# Altium PCB roach2.PcbDoc (part 28 of 39)
Units mil, origin at the board's own origin, x right, y up, seen from the top; angles counter-clockwise.
Board outline 12007.87 x 9606.3 mil, 16 copper layers (L1_TOP, L2_G, L3_S, L4_G, L5_S, L6_P, L7_G, L8_R, L9_R, L10_P, L11_P, L12_S, L13_P, L14_S, L15_G, L16_BOT), stack 81.651 mil thick; 1608 components, 1934 nets, 9335 pads, 6759 vias.
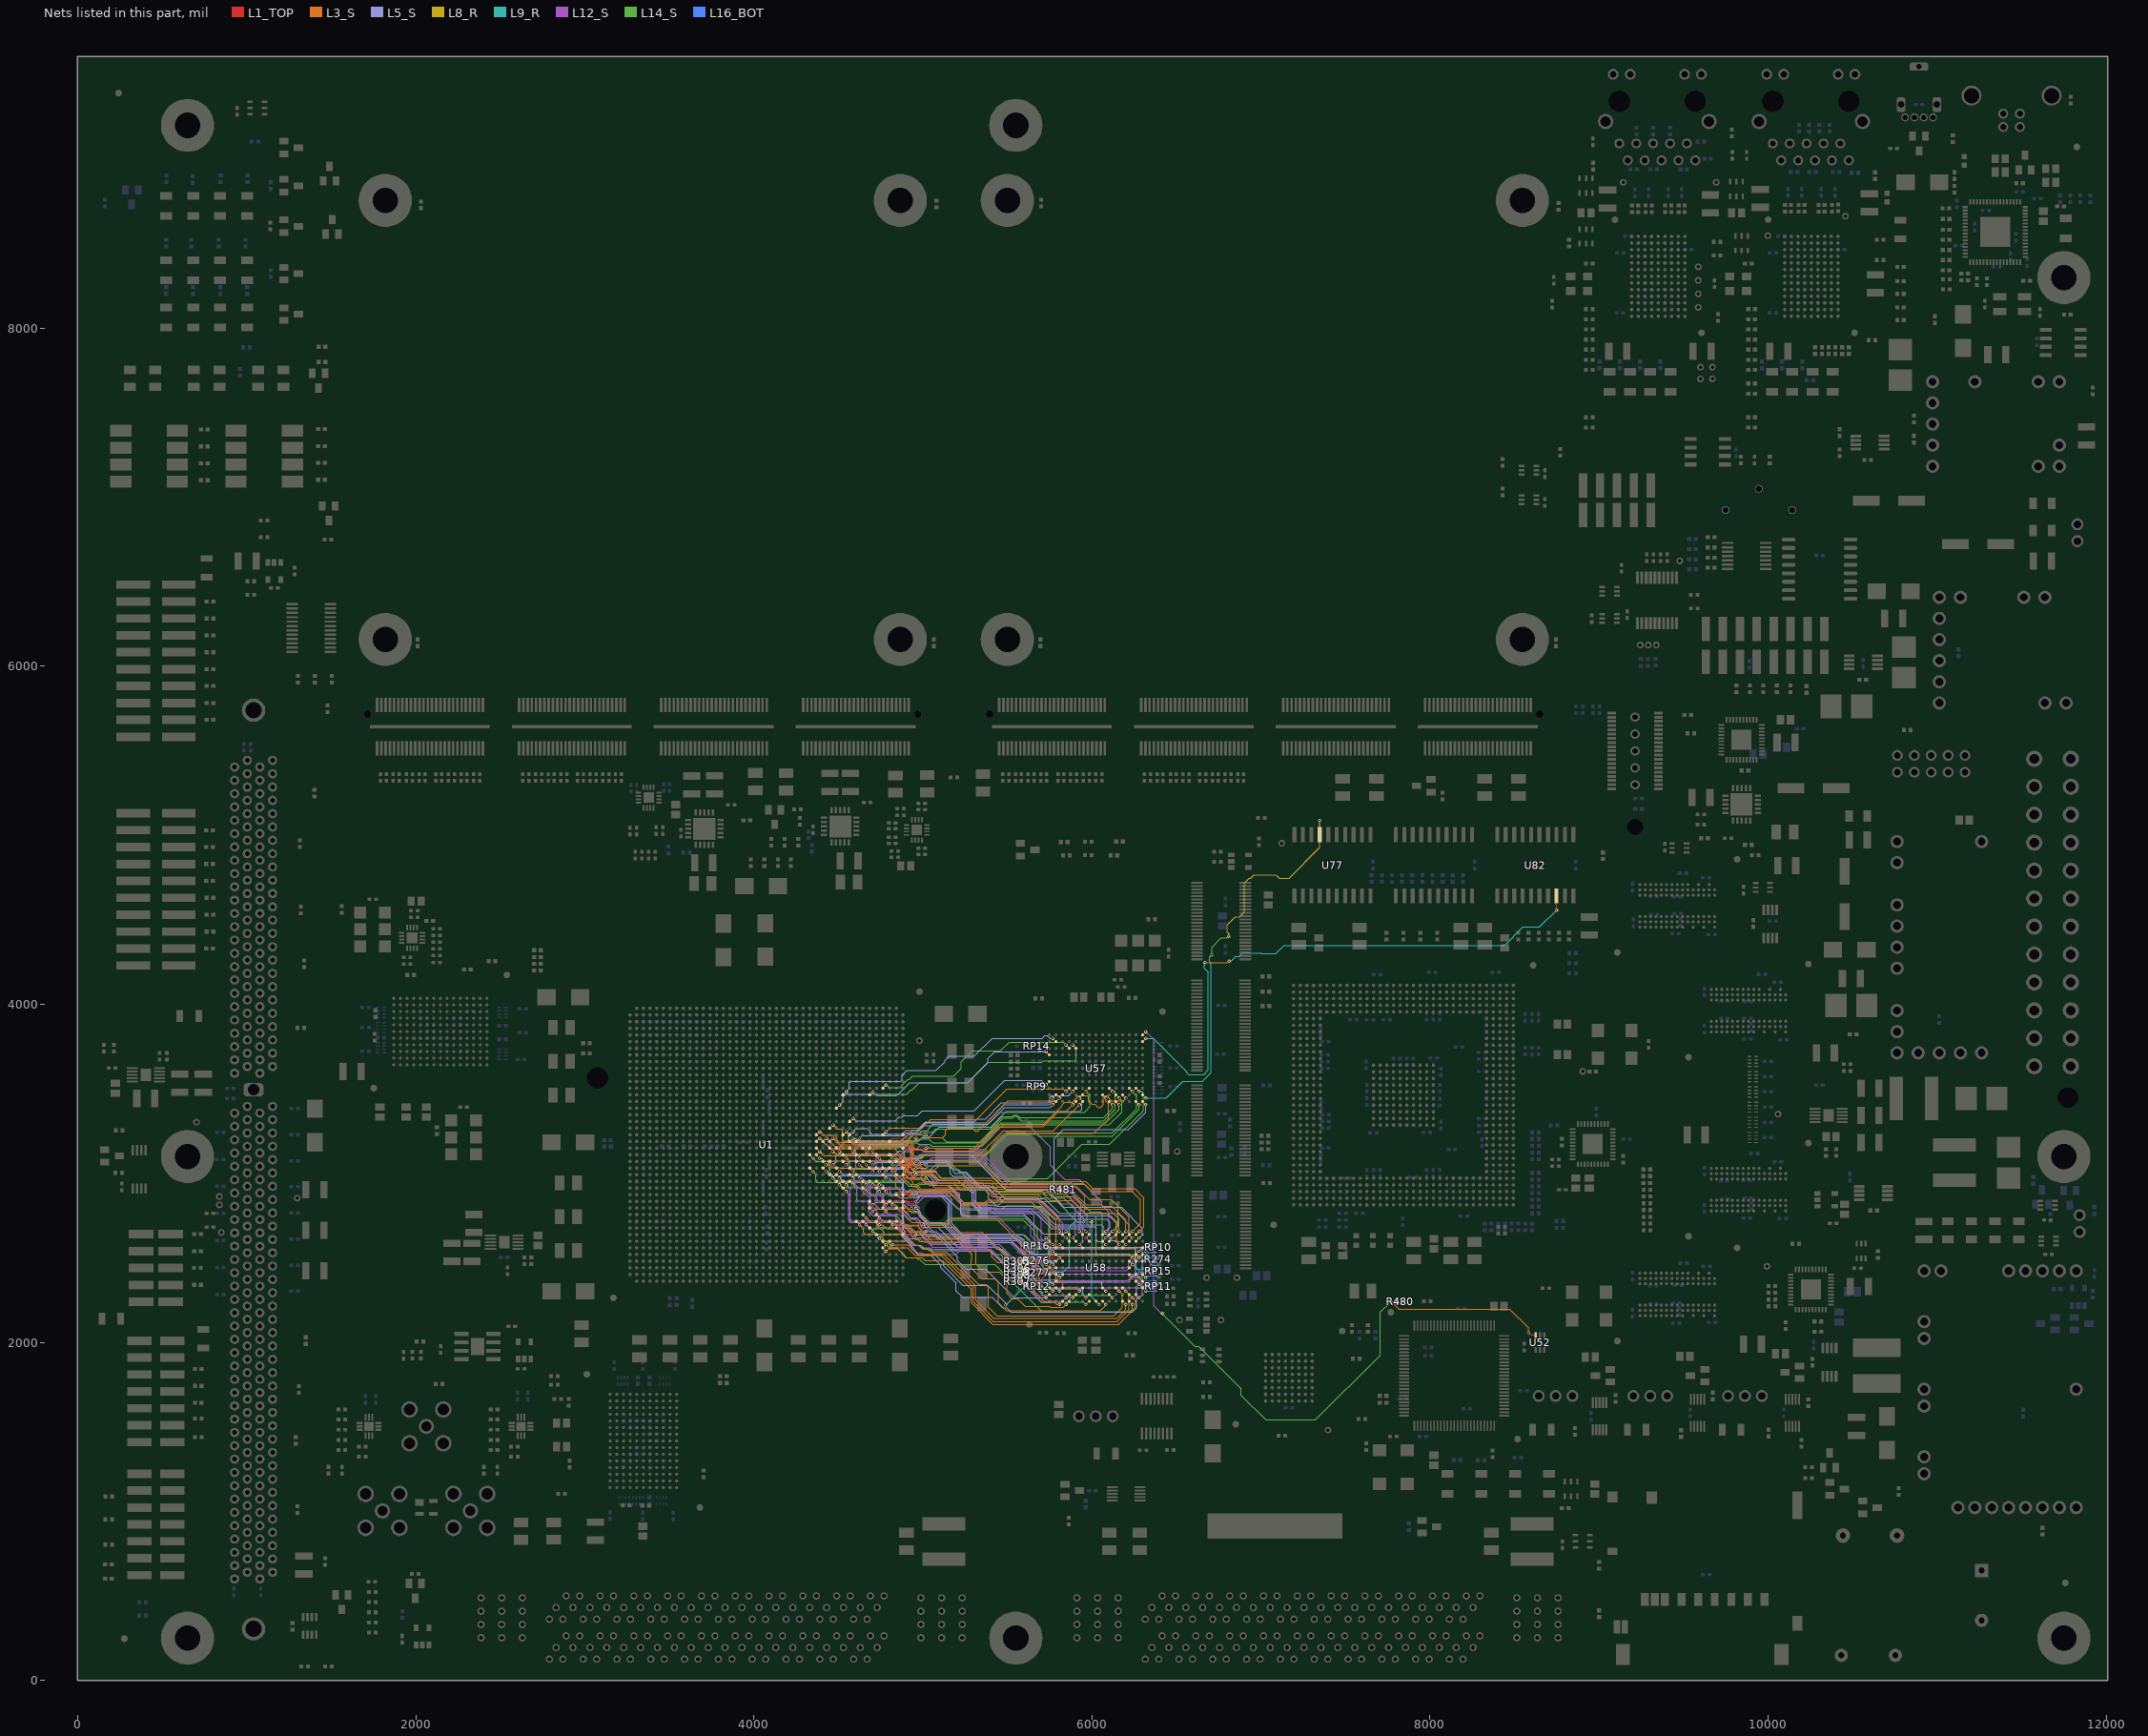
[diagram p42: the nets of this part, all layers, seen from the top]

## Via types
v1: diameter 19.4, hole 10, L1_TOP to L16_BOT, tented both sides, 3354 vias
v2: diameter 19.4, hole 10, L1_TOP to L16_BOT, 1884 vias
v3: diameter 19.4, hole 10, L1_TOP to L16_BOT, tented top, 410 vias
v4: diameter 18.6, hole 10, L1_TOP to L16_BOT, tented both sides, 311 vias
v5: diameter 59.06, hole 39.37, L1_TOP to L16_BOT, 217 vias
v6: diameter 19, hole 10, L1_TOP to L16_BOT, 198 vias
v7: diameter 19.4, hole 10.04, L1_TOP to L16_BOT, 125 vias
v8: diameter 19.4, hole 10, L1_TOP to L16_BOT, tented bottom, 80 vias
v9: diameter 25.98, hole 12.99, L1_TOP to L16_BOT, tented top, 59 vias
v10: diameter 20, hole 10, L1_TOP to L16_BOT, 52 vias
v11: diameter 59.06, hole 39.37, L1_TOP to L16_BOT, tented top, 44 vias
v12: diameter 20, hole 10, L1_TOP to L16_BOT, tented top, 16 vias
v13: diameter 19, hole 10, L1_TOP to L16_BOT, tented top, 5 vias
v14: diameter 50, hole 28, L1_TOP to L16_BOT, 4 vias

## Nets (pads, with @x,y where several pads share a name; then routed paths per layer and width w, separated by ;. In a path a pad name is that pad's centre, name@x,y a point inside that pad or via, vN(x,y) a via of type N, cw(c..) or ccw(c..) an arc to the next point about the centre after c; other vN are vias at no path point) (continued)
QDR0.Q15: U1.F14 U57.E9 | length 1450.7
  L1_TOP w5: U1.F14@4684.14,3463.03 4685.36,3464.25 v1(4703.83,3482.72) ; v1(5885.83,3759.84) U57.E9@5905.51,3740.16
  L14_S w3.8: v1(4703.83,3482.72) 4727.6,3458.95 4843.18,3458.95 4853.52,3469.29 4906.02,3469.29 4929.14,3492.41 4936.33,3492.41 4979.36,3535.43 5263.78,3535.43 5385.83,3657.48 5704.72,3657.48 5712.38,3665.13 5897.42,3665.13 5905.51,3673.23 5905.51,3740.16 v1(5885.83,3759.84)
QDR0.Q16: U1.D13 U57.D9 | length 1270.5
  L1_TOP w5: U1.D13@4762.88,3502.4 4764.1,3503.62 v1(4782.57,3522.09) ; v1(5846.46,3759.84) U57.D9@5866.14,3740.16
  L14_S w3.8: v1@4783.47,3523.62 4800.6,3506.49 4867.77,3506.49 4876.91,3515.62 4876.91,3521.91 4911.99,3556.99 4920.49,3556.99 4938.3,3574.8 5181.1,3574.8 5228.35,3622.05 5228.35,3661.42 5291.34,3724.41 5459.41,3724.41 5510.59,3775.59 5830.71,3775.59 v1(5846.46,3759.84)
QDR0.Q17: U1.K14 U57.B10 | length 1461.7
  L1_TOP w5: U1.K14@4526.66,3463.03 4527.88,3464.25 v1(4546.35,3482.72) ; v1(5767.72,3799.21) U57.B10@5787.4,3779.53
  L5_S w3.8: v1(4546.35,3482.72) 4564.99,3501.36 4564.99,3535.99 4574.86,3545.86 4867.77,3545.86 4876.91,3554.99 4876.91,3581.91 4905.24,3610.24 5078.74,3610.24 5129.92,3661.42 5129.92,3669.29 5153.54,3692.91 5303.15,3692.91 5409.45,3799.21 5706.28,3799.21 5721.88,3814.81 5734.81,3814.81 5750.41,3799.21 v1(5767.72,3799.21)
QDR0.Q18: U1.H21 U57.B2 | length 1306.9
  L1_TOP w5: U1.H21@4605.4,3187.44 4606.62,3188.66 v1(4625.09,3207.13) ; v1(5767.72,3444.88) U57.B2@5787.4,3464.57
  L5_S w3.8: v1(4625.09,3207.13) 4641.06,3223.1 4885.6,3223.1 4902.99,3240.49 4962.05,3240.49 5019.68,3298.12 5372.92,3298.12 5377.95,3303.15 5480.31,3405.51 5745.66,3405.51 5767.72,3427.57 v1(5767.72,3444.88)
QDR0.Q19: U1.D20 U57.D3 | length 1231.6
  L1_TOP w5: U1.D20@4762.88,3226.81 4764.1,3228.03 v1(4782.57,3246.5) ; v1(5846.46,3484.25) U57.D3@5866.14,3503.94
  L3_S w3.8: v1(4782.57,3246.5) 4804.56,3268.49 4995.49,3268.49 5045.99,3318.99 5315.99,3318.99 5497.6,3500.6 5830.11,3500.6 v1(5846.46,3484.25)
QDR0.Q20: U1.J20 U57.E3 | length 1500.8
  L1_TOP w5: U1.J20@4566.03,3226.81 4567.25,3228.03 v1(4585.72,3246.5) ; v1(5885.83,3484.25) U57.E3@5905.51,3503.94
  L5_S w3.8: v1(4585.72,3246.5) 4605.21,3265.99 4670.04,3265.99 4688.23,3247.8 4688.23,3240.03 4697.37,3230.9 4876.4,3230.9 4898.49,3252.99 4963.52,3252.99 5016.45,3305.92 5303.58,3305.92 5320.49,3322.83 5370.08,3322.83 5464.57,3417.32 5740.16,3417.32 5752.12,3429.28 5752.12,3451.34 5761.25,3460.48 5862.06,3460.48 v1(5885.83,3484.25)
QDR0.Q21: U1.K20 U57.F2 | length 1658.3
  L1_TOP w5: U1.K20@4526.66,3226.81 4527.88,3228.03 v1(4546.35,3246.5) ; v1(5925.2,3444.88) U57.F2@5944.88,3464.57
  L5_S w3.8: v1(4546.35,3246.5) 4562.32,3230.52 4562.32,3197.43 4583.83,3175.93 4878.99,3175.93 4894.59,3191.53 4975.33,3191.53 4995.02,3211.21 5034.39,3211.21 5097.9,3274.72 5400.7,3274.72 5492.13,3366.14 5929.13,3366.14 5940.94,3377.95 5940.94,3433.07 5929.14,3444.88 v1(5925.2,3444.88)
QDR0.Q22: U1.L22 U57.G3 | length 1765.5
  L1_TOP w5: U1.L22@4487.29,3148.07 v1(4506.98,3128.38) ; v1(5964.57,3484.25) U57.G3@5984.25,3503.94
  L14_S w3.8: v1(4506.98,3128.38) 4506.98,3155.48 4543.03,3191.53 4877.53,3191.53 4939.99,3253.99 4977.99,3253.99 5007.32,3283.32 5019.54,3283.32 ; 5019.68,3283.46 5019.54,3283.32 ; v1(5964.57,3484.25) 5973.63,3475.19 5977.57,3475.19 5988.19,3464.57 5988.19,3393.7 5956.69,3362.2 5456.69,3362.2 5377.88,3283.39 5067.64,3283.39 5067.56,3283.32 5019.54,3283.32
QDR0.Q23: U1.G22 U57.K3 | length 1822.1
  L1_TOP w5: U1.G22@4644.77,3148.07 v1(4664.46,3128.38) ; U57.K3@6102.36,3503.94 v1(6122.05,3484.25)
  L14_S w3.8: v1(4664.46,3128.38) 4664.46,3152.59 4679.99,3168.13 4887.22,3168.13 4947.08,3227.99 4993.49,3227.99 5010.27,3211.21 5115.56,3211.21 5139.21,3187.56 5337.17,3187.56 5476.38,3326.77 5530.71,3326.77 5541.85,3337.91 5554.77,3337.91 5581.65,3311.02 6070.87,3311.02 6137.8,3377.95 6137.8,3480.31 6133.86,3484.25 v1(6122.05,3484.25)
QDR0.Q24: U1.F22 U57.L2 | length 1737.4
  L1_TOP w5: U1.F22@4684.14,3148.07 v1(4703.83,3128.38) ; U57.L2@6141.73,3464.57 v1(6161.42,3444.88)
  L14_S w3.8: v1@4705.05,3129.6 4704.73,3129.92 4704.73,3144.73 4712.53,3152.53 4893.68,3152.53 4920.57,3179.42 4966.19,3179.42 4973.77,3171.84 5041.1,3171.84 5051.52,3161.42 5350.39,3161.42 5476.38,3287.4 6102.36,3287.4 6177.02,3362.06 6177.02,3429.28 v1(6161.42,3444.88)
QDR0.Q25: U1.C23 U57.N3 | length 1743.1
  L1_TOP w5: U1.C23@4802.25,3108.7 v1(4821.94,3089.01) ; U57.N3@6220.47,3503.94 v1(6240.16,3484.25)
  L14_S w3.8: v1(4821.94,3089.01) 4835.4,3089.01 4849.54,3074.88 4915.38,3074.88 4934.77,3094.27 4960.41,3094.27 4960.63,3094.49 4988.97,3094.49 5008.58,3114.1 5370.01,3114.1 5496.06,3240.16 6122.05,3240.16 6263.78,3381.89 6263.78,3460.63 6251.97,3472.44 v1(6240.16,3484.25) ; v1@4822.84,3090.55 v1@4823.15,3090.23
QDR0.Q26: U1.C24 U57.P3 | length 1884.8
  L1_TOP w5: U1.C24@4802.25,3069.33 v1(4821.94,3049.64) ; U57.P3@6259.84,3503.94 v1(6279.53,3484.25)
  L14_S w3.8: v1(4821.94,3049.64) 4933.84,3049.64 4937.55,3045.93 4973.43,3045.93 4993.12,3065.62 5028.65,3065.62 5029.81,3066.78 5043.16,3066.78 ; 5043.31,3066.93 5043.16,3066.78 ; v1@6283.46,3480.31 6287.4,3484.25 6295.28,3484.25 6303.15,3476.38 6303.15,3370.08 6104.71,3171.64 5940.17,3171.64 5737.52,2969 5456.56,2969 5358.78,3066.78 5043.16,3066.78
QDR0.Q27: U1.J21 U57.B1 | length 1336.5
  L1_TOP w5: U1.J21@4566.03,3187.44 4567.25,3188.66 v1(4585.72,3207.13) ; v1(5767.72,3405.51) U57.B1@5787.4,3425.2
  L5_S w3.8: v1(4585.72,3207.13) 4603.03,3207.13 4618.63,3191.53 4872.53,3191.53 4913.69,3232.69 4975.69,3232.69 4993.58,3250.58 5025.25,3250.58 5034.39,3259.72 5034.39,3265.99 5058.71,3290.32 5384.81,3290.32 5484.25,3389.76 5751.97,3389.76 v1(5767.72,3405.51)
QDR0.Q28: U1.A20 U57.C2 | length 1085.9
  L1_TOP w5: U1.A20@4880.99,3226.81 4881.89,3226.81 v2(5018.79,3226.81) ; v1(5807.09,3444.88) U57.C2@5826.77,3464.57
  L3_S w3.8: v2@5019.68,3228.35 5020,3228.03 5035.43,3212.6 5118.11,3212.6 5133.86,3228.35 5133.86,3251.97 5149.61,3267.72 5291.34,3267.72 5311.02,3248.03 5322.83,3248.03 5503.94,3429.13 5791.34,3429.13 v1(5807.09,3444.88)
QDR0.Q29: U1.C21 U57.E1 | length 1318.5
  L1_TOP w5: U1.C21@4802.25,3187.44 4803.47,3188.66 4822.68,3207.87 v2@4959.73,3207.87 ; v1(5885.83,3405.51) U57.E1@5905.51,3425.2
  L3_S w3.8: v2@4960.63,3208.66 4960.63,3207.13 4960.63,3188.98 4944.13,3172.48 4944.13,3154.85 4956.49,3142.49 4992.99,3142.49 5003.01,3132.47 5305.7,3132.47 5448.82,3275.59 5712.6,3275.59 5803.15,3366.14 5846.46,3366.14 v1(5885.83,3405.51)
  other v2: 4959.73,3207.13
QDR0.Q30: U1.A24 U57.F1 | length 1213.7
  L1_TOP w5: U1.A24@4880.99,3069.33 4881.89,3069.33 v2(4959.73,3069.33) ; v1(5925.2,3405.51) U57.F1@5944.88,3425.2
  L3_S w3.8: v2@4960.63,3070.87 4996.06,3106.3 5330.71,3106.3 5476.38,3251.97 5673.21,3251.97 ; 5677.17,3251.97 5673.21,3251.97 ; v1(5925.2,3405.51) 5771.65,3251.97 5673.21,3251.97
QDR0.Q31: U1.B24 U57.J2 | length 1532.9
  L1_TOP w5: U1.B24@4841.62,3069.33 4861.31,3049.65 v2(5018.79,3049.65) ; U57.J2@6062.99,3464.57 v1(6082.68,3444.88)
  L3_S w3.8: v2@5019.68,3051.18 5043.31,3074.8 5330.71,3074.8 5492.13,3236.22 6011.81,3236.22 6098.28,3322.69 6098.28,3411.97 6082.68,3427.57 v1(6082.68,3444.88)
QDR0.Q32: U1.J22 U57.K1 | length 1733.1
  L1_TOP w5: U1.J22@4566.03,3148.07 v1(4585.72,3128.38) ; U57.K1@6102.36,3425.2 v1(6122.05,3405.51)
  L14_S w3.8: v1(4585.72,3128.38) 4633.26,3175.93 4883.99,3175.93 4944.55,3236.49 5006.41,3236.49 5012.32,3242.41 5018.49,3242.41 5018.86,3242.78 5053.8,3242.78 5074.8,3263.78 5397.64,3263.78 5468.58,3334.72 5527.63,3334.72 5538.62,3345.71 5558,3345.71 5573,3330.71 6070.87,3330.71 6090.55,3350.39 6122.05,3381.89 v1(6122.05,3405.51)
QDR0.Q33: U1.H23 U57.L1 | length 1780.6
  L1_TOP w5: U1.H23@4605.4,3108.7 v1(4625.09,3089.01) ; U57.L1@6141.73,3425.2 v1(6161.42,3405.51)
  L14_S w3.8: v1(4625.09,3089.01) 4625.09,3104.09 4633.78,3112.78 4670.92,3112.78 4680.06,3121.92 4680.06,3144.56 4695.83,3160.33 4890.45,3160.33 4921.65,3191.53 4966.19,3191.53 4977.71,3203.04 5034.39,3203.04 5057.66,3179.76 5345.12,3179.76 5464.57,3299.21 6082.68,3299.21 6161.42,3377.95 v1(6161.42,3405.51)
QDR0.Q34: U1.A22 U57.M2 | length 1600.9
  L1_TOP w5: U1.A22@4880.99,3148.07 4881.44,3147.62 4881.89,3147.62 5018.33,3147.62 v2(5018.79,3148.07) ; U57.M2@6181.1,3464.57 v1(6200.79,3444.88)
  L3_S w3.8: v2@5019.68,3149.61 5307.09,3149.61 5448.82,3291.34 5714.98,3291.34 5822.69,3399.05 5822.69,3403.8 5840.14,3421.26 5884.27,3421.26 5906.29,3443.28 5906.29,3448.04 5918.73,3460.48 5971.03,3460.48 5980.17,3451.34 5980.17,3429.28 5999.22,3410.23 6016.53,3410.23 6036.85,3389.91 6049.77,3389.91 6067.08,3407.22 6067.08,3451.34 6076.22,3460.48 6089.14,3460.48 6098.28,3451.34 6098.28,3446.59 6115.59,3429.28 6185.19,3429.28 v1(6200.79,3444.88)
QDR0.Q35: U1.E23 U57.P1 | length 1766.4
  L1_TOP w5: U1.E23@4723.51,3108.7 v1(4743.2,3089.01) ; U57.P1@6259.84,3425.2 v1(6279.53,3405.51)
  L14_S w3.8: v1(4743.2,3089.01) 4758.8,3073.41 4839.97,3073.41 4846.31,3067.08 4926.58,3067.08 4945.97,3086.47 4964.42,3086.47 ; 4964.57,3086.61 4964.42,3086.47 ; v1(6279.53,3405.51) 6279.53,3377.95 6121.97,3220.4 5682.62,3220.4 5672.02,3230.99 5499.96,3230.99 5375.27,3106.3 5011.81,3106.3 4991.98,3086.47 4964.42,3086.47
QDR0.RDN: RP14.4 U1.L16 U57.A8 | length 1475.5
  L1_TOP w5: U1.L16@4487.29,3384.29 4488.51,3385.51 v1(4506.98,3403.98) ; v1(5728.35,3720.47) U57.A8@5748.03,3700.79
  L5_S w3.8: v1(4506.98,3403.98) 4527.49,3424.49 4527.49,3448.99 4545.62,3467.12 4854.62,3467.12 4922.93,3535.43 5267.72,3535.43 5385.83,3653.54 5385.83,3681.1 5425.2,3720.47 v1(5728.35,3720.47)
  L16_BOT w5: RP14.4@5692.68,3723.46 5725.36,3723.46 v1(5728.35,3720.47)
QDR0.WRN: RP9.2 U1.J18 U57.A4 | length 1352
  L1_TOP w5: U1.J18@4566.03,3305.55 4567.25,3306.77 v1(4585.72,3325.24) ; v1(5728.35,3523.62) U57.A4@5748.03,3543.31
  L5_S w3.8: v1@4586.62,3326.77 4586.94,3326.45 4603.75,3309.64 4835.14,3309.64 4858.91,3333.41 4876.61,3333.41 4885.15,3341.95 4968.68,3341.95 4995.43,3368.69 5301.76,3368.69 5484.25,3551.18 5700.79,3551.18 5710.63,3541.34 v1(5728.35,3523.62)
  L16_BOT w5: RP9.2@5692.68,3522.83 5727.56,3522.83 v1(5728.35,3523.62)
QDR0_TCK: U57.R2 U77.7 | length 2524.5
  L1_TOP w5: U57.R2@6299.21,3464.57 v1(6318.9,3444.88) ; U77.7@7347.99,5004.09 v2(7347.99,5088.42)
  L8_R w3.8: v2(6808.99,4402.99) 6807.99,4403.99 6807.99,4419.99 ; 6808.99,4418.99 6807.99,4419.99 ; v2(7347.99,5088.42) 7347.99,4927.99 7166.99,4746.99 7108.02,4746.99 7088.22,4766.79 6959.76,4766.79 6939.96,4746.99 6930.99,4746.99 6902.99,4718.99 6902.99,4546.99 6874.44,4518.44 6849.76,4518.44 6800.39,4469.07 6800.39,4427.59 6807.99,4419.99
  L9_R w3.8: v1(6318.9,3444.88) 6438.31,3444.88 6487.76,3494.34 6487.76,3494.45 6538.3,3544.99 6654.99,3544.99 6704.99,3594.99 6704.99,4244.99 6696.99,4252.99 6696.99,4280.99 v2(6708.99,4292.99)
  L14_S w3.8: v2(6708.99,4292.99) 6708.99,4336.99 6764.99,4392.99 6798.99,4392.99 v2(6808.99,4402.99)
QDR0_TDI: R480.2 U52.3 U57.R11 | length 4804.7
  L1_TOP w5: U57.R11@6299.21,3818.9 v1(6318.9,3838.58) ; v2@7771.31,2242.99 R480.2@7803.31,2242.99 ; v6(8582,2057) 8595.85,2043.15 U52.3@8624.41,2043.15
  L3_S w3.94: v2(7769.31,2242.99) 7815.3,2197 8471,2197 8582,2086 v6(8582,2057)
  L12_S w3.8: v1(6318.9,3838.58) 6364.99,3792.49 6364.99,3277.94 6365.27,3277.67 6365.27,2883.04 6364.99,2882.76 6364.99,2216.99 6410.99,2170.99 v2(6416.99,2170.99)
  L14_S w3.8: v2(6416.99,2170.99) 6416.99,2168.93 6609.93,1975.99 6632.15,1975.99 6883.19,1724.95 6883.19,1685.76 7027.96,1540.99 7323.05,1540.99 7704.99,1922.93 7704.99,2178.68 v2(7769.31,2242.99)
QDR0_TDO: R481.1 U57.R1 | length 1012.8
  L1_TOP w5: v2@5779.27,2903.06 R481.1@5811.27,2903.06 ; U57.R1@6299.21,3425.2 v1(6318.9,3405.51)
  L5_S w3.8: v2(5777.27,2903.06) 5777.27,3205.27 5830.99,3258.99 6216.99,3258.99 6318.9,3360.9 v1(6318.9,3405.51)
QDR0_TMS: U57.R10 U82.18 | length 3442.3
  L1_TOP w5: U57.R10@6299.21,3779.53 v1(6318.9,3799.21) ; v3(8747.99,4557.56) U82.18@8747.99,4641.89
  L3_S w3.8: v2(6668.99,4246.99) 6802.99,4246.99 v2(6810.99,4254.99)
  L9_R w3.8: v1(6318.9,3799.21) 6362.77,3799.21 6554.29,3607.69 6554.29,3602.82 6572.12,3584.99 6662.99,3584.99 6688.99,3610.99 6688.99,4188.99 6664.99,4212.99 6664.99,4242.99 v2(6668.99,4246.99) ; v2(6810.99,4254.99) 6810.99,4256.99 6824.99,4256.99 6840.62,4272.62 6840.62,4273.08 6849.76,4282.22 6870.22,4282.22 6890.22,4302.22 7001.76,4302.22 7002.99,4300.99 7088.99,4300.99 7136.99,4348.99 8440.99,4348.99 8548.99,4456.99 8647.42,4456.99 v3(8747.99,4557.56)
QDR1.A0: RP12.1 U1.C30 U58.B4 | length 1465.2
  L1_TOP w5: U1.C30@4802.25,2833.11 v1(4821.94,2813.42) ; v1(5767.72,2342.52) U58.B4@5787.4,2362.2
  L14_S w3.8: v1@4823.16,2814.64 4822.84,2814.96 4837.71,2814.96 4854.85,2797.82 4866.66,2797.82 4931.99,2732.49 4964.49,2732.49 4987.44,2709.55 4987.44,2688.85 4996.58,2679.71 5009.5,2679.71 5010.89,2681.1 5125.98,2681.1 5169.29,2724.41 5594.49,2724.41 5661.42,2657.48 5661.42,2476.38 5712.6,2425.2 5736.22,2425.2 5751.97,2409.45 5751.97,2358.27 v1(5767.72,2342.52)
  L16_BOT w5: RP12.1@5692.68,2362.52 5747.71,2362.52 v1(5767.72,2342.52)
QDR1.A1: RP16.3 U1.A30 U58.B8 | length 1237.1
  L1_TOP w5: U1.A30@4879.09,2834.46 v2(4957.83,2834.46) ; v1(5767.72,2539.37) U58.B8@5787.4,2519.68
  L5_S w3.8: v2(4957.83,2834.46) 4987.37,2863.99 5108.45,2863.99 5152,2820.44 5152,2690.52 5228.35,2614.17 5559.06,2614.17 5649.46,2523.77 5752.12,2523.77 v1(5767.72,2539.37)
  L16_BOT w5: RP16.3@5692.68,2563.15 5693.29,2562.54 5744.55,2562.54 v1(5767.72,2539.37)
QDR1.A2: R277.1 U1.G28 U58.C5 | length 1741.4
  L1_TOP w5: U1.G28@4644.77,2911.85 v1(4664.46,2892.16) ; v1(5807.09,2381.89) U58.C5@5826.77,2401.57
  L14_S w3.8: v1(4664.46,2892.16) 4680.06,2876.56 4908.42,2876.56 4928.1,2856.88 4966.19,2856.88 4979.31,2870 5125.98,2870 5204.99,2790.99 5472.99,2790.99 5490.99,2808.99 5650.99,2808.99 5658.99,2800.99 5692.91,2800.99 5745.87,2748.03 5745.87,2529.72 5751.97,2523.62 5751.97,2448.82 5807.09,2393.7 v1(5807.09,2381.89)
  L16_BOT w5: R277.1@5692.68,2412.99 5775.98,2412.99 v1(5807.09,2381.89)
QDR1.A3: R276.1 U1.E28 U58.C7 | length 1471.7
  L1_TOP w5: U1.E28@4723.51,2911.85 v1(4743.2,2892.16) ; v1(5807.09,2500) U58.C7@5826.77,2480.31
  L12_S w3.8: v1(4743.2,2892.16) 4766.97,2868.39 4766.97,2846.33 4776.11,2837.19 4904.79,2837.19 4923.13,2818.86 4964.3,2818.86 5007.43,2861.99 5138.01,2861.99 5259.84,2740.16 5444.83,2740.16 5708.61,2476.38 5783.46,2476.38 v1(5807.09,2500)
  L16_BOT w5: R276.1@5692.68,2482.99 5790.08,2482.99 v1(5807.09,2500)
QDR1.A4: RP15.2 U1.L26 U58.N5 | length 2251.1
  L1_TOP w5: U1.L26@4487.29,2990.59 v1(4506.98,2970.9) ; U58.N5@6220.47,2401.57 v1(6240.16,2381.89)
  L12_S w3.8: v1(4506.98,2970.9) 4525.39,2952.49 4586.82,2952.49 4601.32,2938 4601.32,2933.24 4618.63,2915.93 4623.38,2915.93 4648.86,2890.46 4648.86,2885.7 4658,2876.56 4664.16,2876.56 4688.23,2852.49 4688.23,2806.96 4697.37,2797.82 4708.16,2797.82 4727.6,2778.39 4727.6,2767.59 4736.74,2758.45 4860.53,2758.45 4886.99,2731.99 4886.99,2707.99 4940.49,2654.49 4975.99,2654.49 5051.74,2578.74 5453.24,2578.74 5673.72,2358.27 6216.54,2358.27 6228.35,2370.08 v1(6240.16,2381.89)
  L16_BOT w5: v1(6240.16,2381.89) 6271.42,2413.15 RP15.2@6373.31,2413.15
QDR1.A5: RP15.3 U1.G27 U58.N6 | length 2053
  L1_TOP w5: U1.G27@4644.77,2951.22 v1(4664.46,2931.53) ; U58.N6@6220.47,2440.94 v1(6240.16,2460.63)
  L12_S w3.8: v1(4664.46,2931.53) 4688.23,2907.76 4688.23,2885.7 4697.37,2876.56 4719.92,2876.56 4727.6,2868.89 4727.6,2846.33 4737.94,2835.99 4750.49,2835.99 4766.97,2819.52 4766.97,2806.96 4776.11,2797.82 4874.44,2797.82 4916.57,2755.69 4916.57,2747.91 4925.71,2738.77 4962.21,2738.77 4987.44,2713.55 4987.44,2688.85 4996.58,2679.71 5021.27,2679.71 5082.87,2618.11 5507.87,2618.11 5700.79,2425.2 6204.72,2425.2 v1(6240.16,2460.63)
  L16_BOT w5: v1(6240.16,2460.63) 6267.95,2432.83 RP15.3@6373.31,2432.83
QDR1.A6: RP15.4 U1.A31 U58.N7 | length 1686.1
  L1_TOP w5: U1.A31@4880.99,2793.74 4900.82,2793.74 4917.02,2809.94 4942.73,2809.94 v2@4958.93,2793.74 ; U58.N7@6220.47,2480.31 v1(6240.16,2500)
  L5_S w3.8: v2(4959.73,2793.74) 4986,2767.47 4986,2758 5034,2710 5116.77,2710 5224.41,2602.36 5559.84,2602.36 5646.23,2515.97 5755.35,2515.97 5763.15,2523.77 5779.38,2523.77 5779.53,2523.62 6216.54,2523.62 6229.13,2511.03 v1(6240.16,2500)
  L16_BOT w5: v1(6240.16,2500) 6259.17,2480.99 6331.99,2480.99 6360.46,2452.52 RP15.4@6373.31,2452.52
QDR1.A7: RP11.2 U1.J27 U58.P4 | length 2183.7
  L1_TOP w5: U1.J27@4566.03,2951.22 v1(4585.72,2931.53) ; U58.P4@6259.84,2362.2 v1(6279.53,2342.52)
  L12_S w3.8: v1(4585.72,2931.53) 4609.49,2907.76 4609.49,2846.33 4618.63,2837.19 4668.79,2837.19 4680.43,2825.56 4680.43,2775.39 4705.17,2750.65 4834.83,2750.65 4840.99,2744.49 4840.99,2732.94 4953.27,2620.66 4998.79,2620.66 5056.46,2562.99 5448.82,2562.99 5688.98,2322.83 6259.84,2322.83 v1(6279.53,2342.52)
  L16_BOT w5: v1(6279.53,2342.52) 6298.9,2323.15 RP11.2@6373.31,2323.15
QDR1.A8: RP11.4 U1.B29 U58.P5 | length 1969
  L1_TOP w5: U1.B29@4841.62,2872.48 4861.31,2852.79 4916.42,2852.79 v2(4936.11,2872.48) ; U58.P5@6259.84,2401.57 v1(6279.53,2381.89)
  L5_S w3.8: v2(4936.11,2872.48) 4951.71,2856.88 4966.38,2856.88 4986.49,2876.99 5115.13,2876.99 5159.8,2832.33 5159.8,2698.47 5232.28,2625.98 5570.87,2625.98 5641.73,2555.12 6251.97,2555.12 6259.84,2547.24 6259.84,2401.57 v1(6279.53,2381.89) ; v2@4937.01,2874.02 v2@4938.57,2874.02
  L16_BOT w5: v1(6279.53,2381.89) 6298.9,2362.52 RP11.4@6373.31,2362.52
QDR1.A9: RP10.1 U1.R23 U58.P7 | length 2514
  L1_TOP w5: U1.R23@4329.81,3108.7 v1(4349.5,3089.01) ; U58.P7@6259.84,2480.31 v1(6279.53,2500)
  L14_S w3.8: v1@4350.39,3090.55 4369.95,3070.99 4431.38,3070.99 4449.49,3052.88 4449.49,3004.99 4467.98,2986.5 4896.48,2986.5 4915.79,2967.19 4978.72,2967.19 4999.52,2987.99 5049.99,2987.99 5076.99,2960.99 5204.99,2960.99 5247.33,2918.66 5783.73,2918.66 5797.4,2904.99 5842.5,2904.99 ; 5844.99,2904.99 5842.5,2904.99 ; v1(6279.53,2500) 6279.53,2503.94 6259.84,2523.62 6259.84,2547.24 6248.03,2559.06 6070.87,2559.06 6062.99,2566.93 6062.99,2759.84 6051.18,2771.65 5992.13,2771.65 5858.79,2904.99 5842.5,2904.99
  L16_BOT w5: v1(6279.53,2500) 6302.7,2523.17 6325.61,2523.17 6335.9,2533.46 RP10.1@6373.31,2533.46
QDR1.A10: RP10.3 U1.H26 U58.P8 | length 2160.4
  L1_TOP w5: U1.H26@4605.4,2990.59 v1(4625.09,2970.9) ; U58.P8@6259.84,2519.68 v1(6279.53,2539.37)
  L12_S w3.8: v1@4626.31,2972.12 4625.99,2972.44 4640.86,2972.44 4658,2955.3 4662.75,2955.3 4688.23,2929.83 4688.23,2925.07 4697.37,2915.93 4721.05,2915.93 4727.6,2909.39 4727.6,2883.06 4742.27,2868.39 4749.66,2868.39 4759.17,2858.89 4759.17,2843.1 4773.25,2829.02 4896.96,2829.02 4914.93,2811.06 4964.93,2811.06 4979.49,2796.49 4979.49,2746.99 5023.49,2702.99 5023.49,2692.99 5074.75,2641.73 5515.75,2641.73 5716.54,2440.94 6204.72,2440.94 6216.39,2452.61 6216.39,2464.42 6228.2,2476.23 6238.45,2476.23 6259.84,2497.62 6259.84,2519.69 6268.5,2528.34 v1(6279.53,2539.37)
  L16_BOT w5: v1(6279.53,2539.37) 6302.7,2562.54 6325.61,2562.54 6335.9,2572.83 RP10.3@6373.31,2572.83
QDR1.A11: RP16.2 U1.F27 U58.A9 | length 1367.1
  L1_TOP w5: U1.F27@4684.14,2951.22 v1(4703.83,2931.53) ; v1(5728.35,2578.74) U58.A9@5748.03,2559.05
  L12_S w3.8: v1(4703.83,2931.53) 4721.14,2931.53 4744.91,2907.76 4789.03,2907.76 4789.1,2907.69 4797.76,2907.69 4806.34,2899.12 4806.34,2885.7 4815.48,2876.56 4828.4,2876.56 4840.29,2888.45 5207.64,2888.45 5217.56,2878.53 5217.56,2850.33 5241.12,2826.77 5279.53,2826.77 5307.09,2799.21 5405.51,2799.21 5425.2,2779.53 5625.98,2779.53 5657.48,2748.03 5657.48,2641.73 5700.79,2598.43 5700.79,2586.61 5708.66,2578.74 v1(5728.35,2578.74)